# Altium PCB PCB2.PcbDoc
Units mil, origin at the board's own origin, x right, y up, seen from the top; angles counter-clockwise.
Board outline 3685.02 x 3290.03 mil, 2 copper layers (Top Layer, Bottom Layer); 12 components, 14 nets, 65 pads, 0 vias.
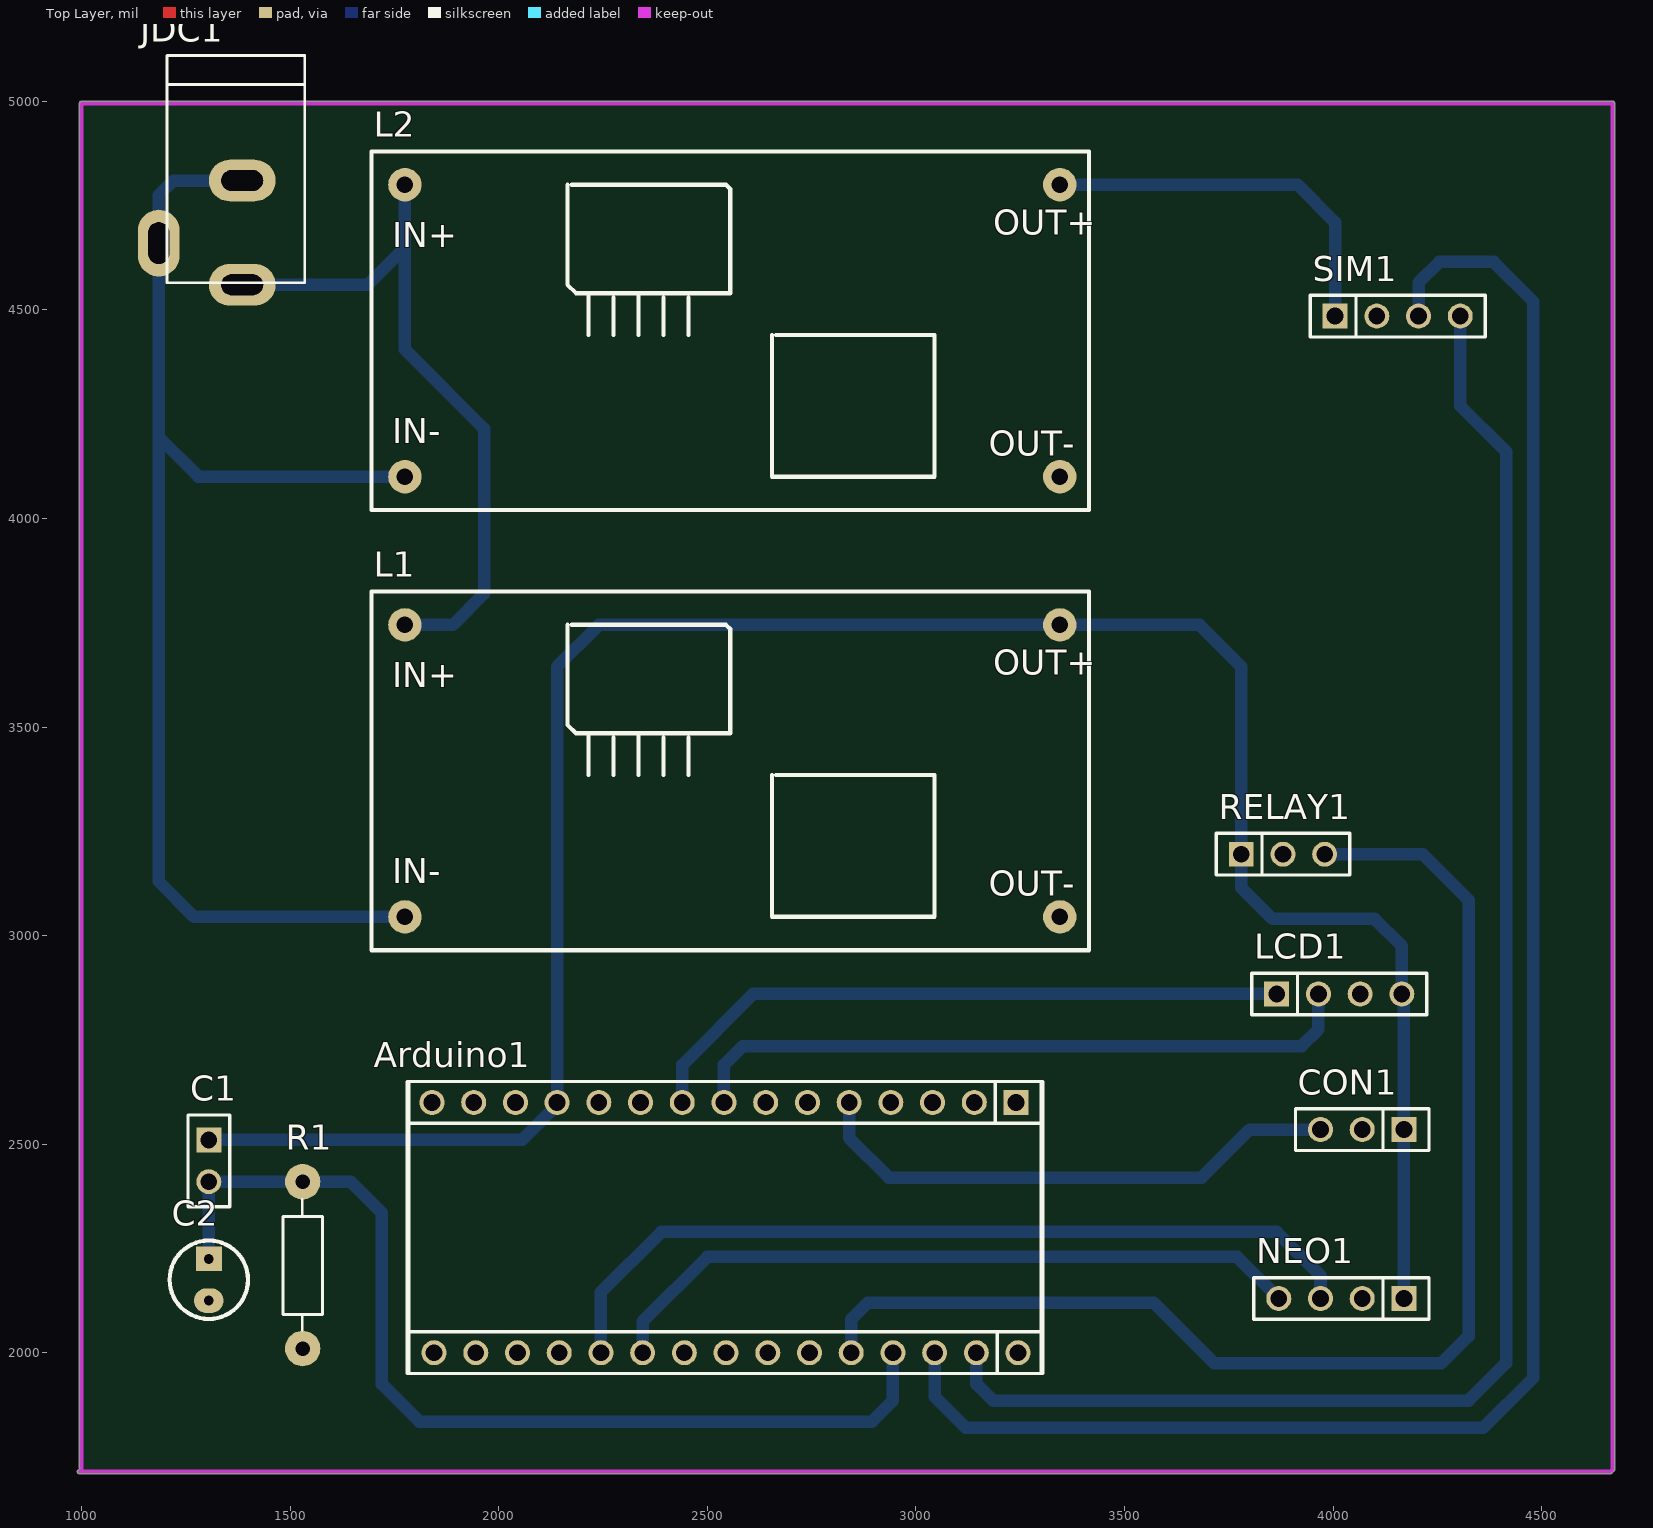
[diagram p0: Top Layer view]
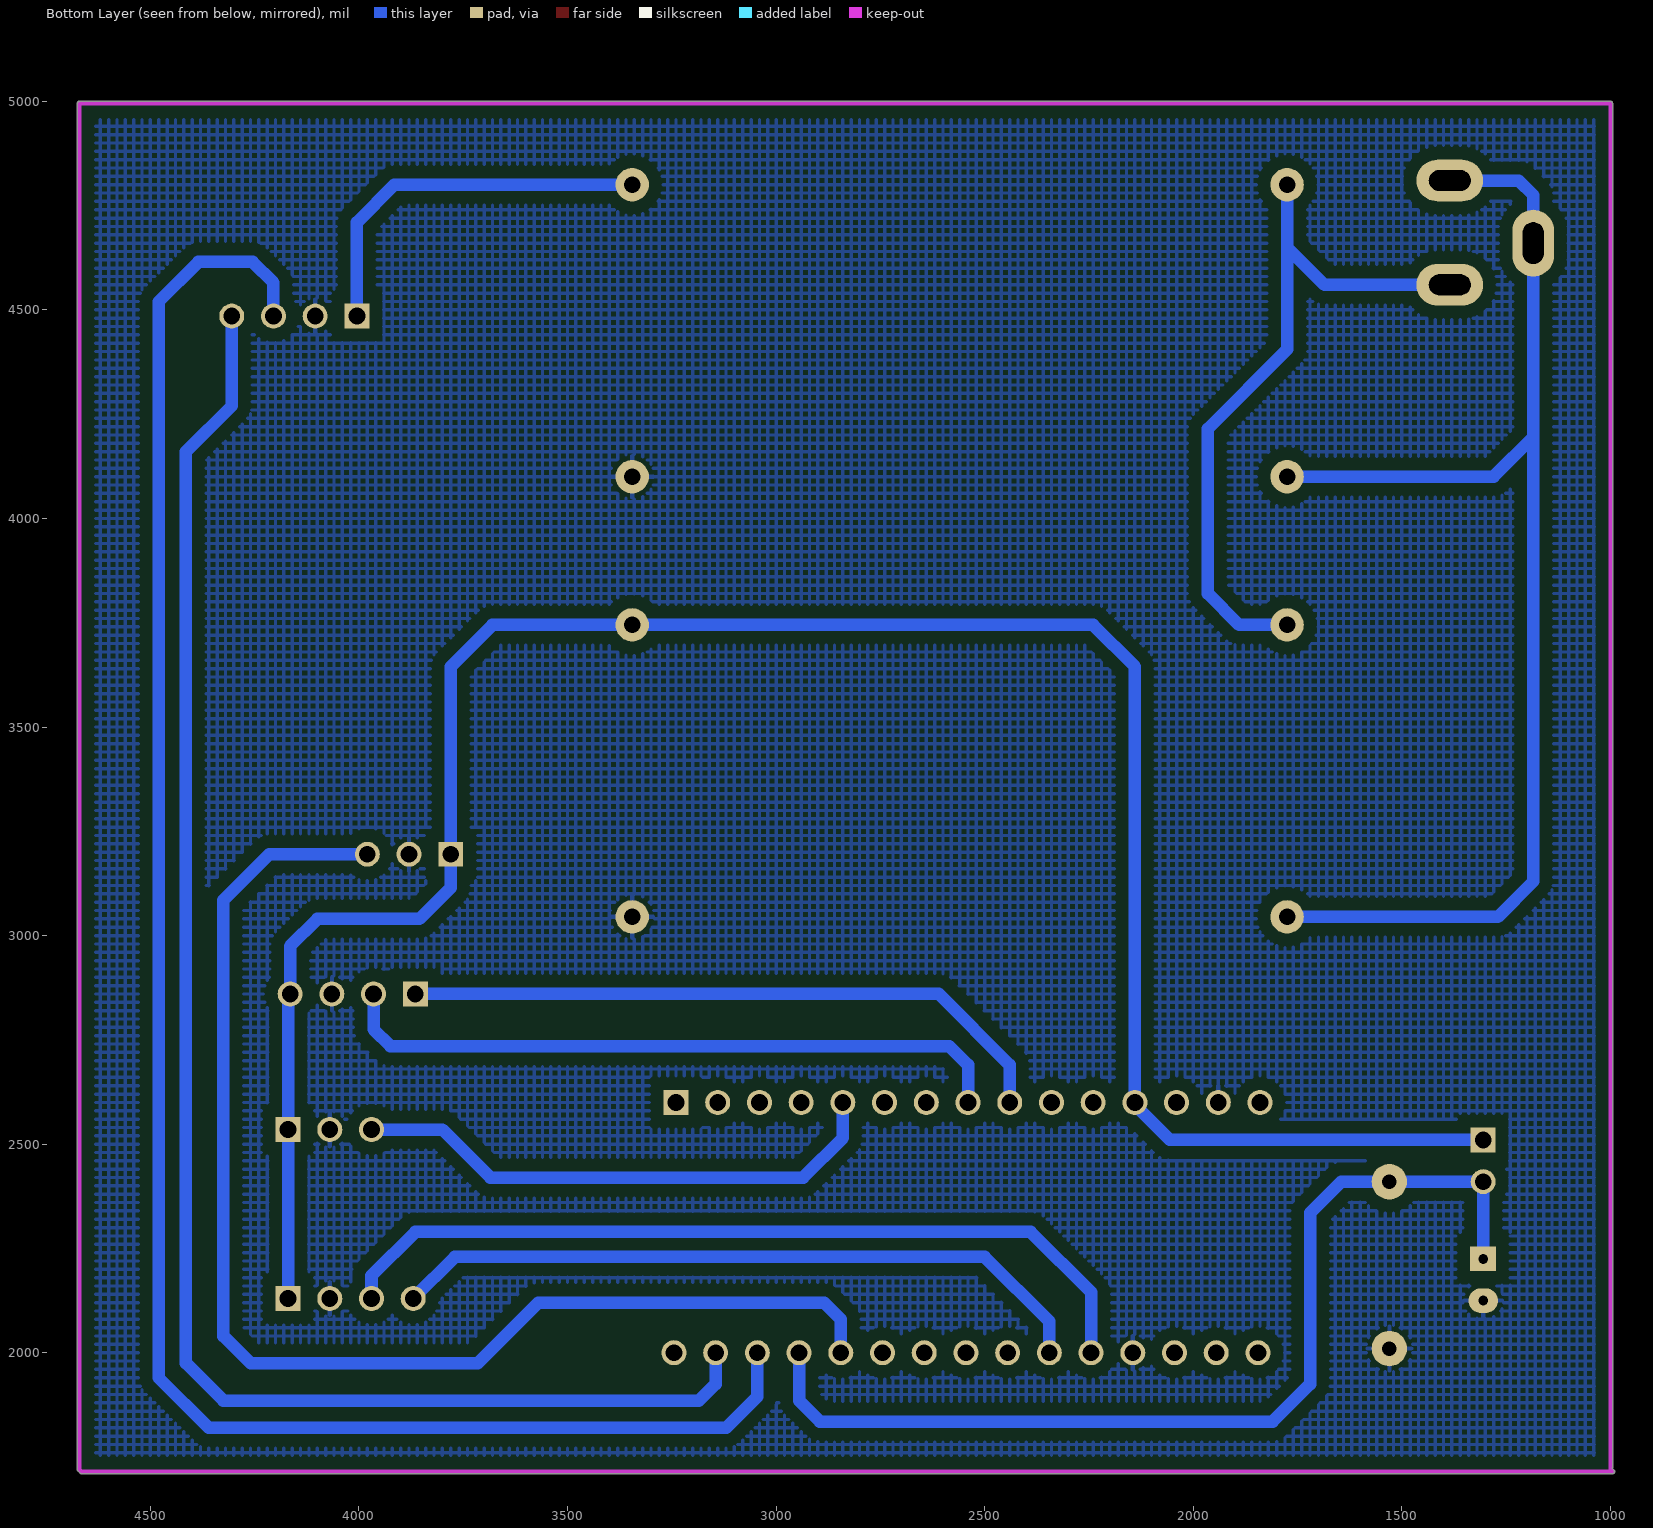
[diagram p1: Bottom Layer view, seen from below]

## Layer stack, top to bottom
Top Solder: solder mask 0.4, Solder Resist, Dk 3.5
Top Layer: signal copper 1.4
Dielectric 1: dielectric 12.6, FR-4, Dk 4.8
Bottom Layer: signal copper 1.4
Bottom Solder: solder mask 0.4, Solder Resist, Dk 3.5

## Board outline
995,1709.98 cw(c995,1715) 991.47,1718.56 991.45,1718.55 995.57,1722.66 cw(c1000,1725) 994.99,1725 994.99,4995 cw(c1000,4995) 1000,5000.02 4670,5000.02 cw(c4670,4995) 4675.02,4995 4675.02,1720 cw(c4670,1720) 4673.53,1716.44 4673.55,1716.45 4668.55,1711.45 4668.56,1711.47 cw(c4665,1715) 4665,1709.98

## Design rules (kind name [scope] priority, off if disabled: settings)
Clearance [All] p1: gap=30
PolygonConnect [All] p1: connectstyle=Relief reliefconductorwidth=10 reliefentries=4 polygonreliefangle="90 Angle" airgapwidth=10
RoutingVias [All] p1: holewidth=28 width=50 viastyle="Through Hole" minholewidth=28 minwidth=50 maxholewidth=28 maxwidth=50
SolderMaskExpansion [All] p1: expansion=4
Width [All] p1: maxlimit=30 minlimit=10 preferedwidth=20
30 further rules are at their usual default settings.

## Components (designator, comment, footprint, x,y, rotation, side; value= is the part's Value field where it differs from the comment)
Arduino1 "Arduino Nano" "Arduino Nano" 2535,2330 r90 top
C1 "JP2" JP2-C1T 1305,2510 r270 top
C2 "CN-ALU-DIP" CA-ALU-2.54 1305,2175 r270 top
CON1 "JP3" JP3-C1T 4170,2535 r180 top
JDC1 "Jac DC" DC0 1285,4685 r270 top
L1 "BUCK_LM2596" BUCK_LM2596 2545,3425 r0 top
L2 "BUCK_LM2596" BUCK_LM2596 2545,4480 r0 top
LCD1 "JP4" JP4-C1T 3865,2860 r0 top
NEO1 "JP4" JP4-C1T 4170,2130 r180 top
R1 "Res" RES-1/4W 1525,2195 r270 top
RELAY1 "JP3" JP3-C1T 3780,3195 r0 top
SIM1 "JP4" JP4-C1T 4005,4485 r0 top

## Footprints (in the part's own frame and the unit in brackets; to place one, negate y for a bottom-side part, rotate by r counter-clockwise, add the part's x,y. Pads: shape width x height; smd on the part's side, far side on the other; paste and mask are expansions set on the pad)
"Arduino Nano" [mm]
  round 1.52 hole 1.02: 3V3(6.858,-15.367) 5V(6.858,10.033) A0(6.858,-10.287) A1(6.858,-7.747) A2(6.858,-5.207) A3(6.858,-2.667) A4(6.858,-0.127) A5(6.858,2.413) A6(6.858,4.953) A7(6.858,7.493) D2(-8.382,7.366) D3(-8.382,4.826) D4(-8.382,2.286) D5(-8.382,-0.254) D6(-8.382,-2.794) D7(-8.382,-5.334) D8(-8.382,-7.874) D9(-8.382,-10.414) D10(-8.382,-12.954) D11(-8.382,-15.494) D12(-8.382,-18.034) GND(-8.382,9.906) GND(6.858,15.113) REF(6.858,-12.827) RST(-8.382,12.446) RST(6.858,12.573) RX0(-8.382,14.986) TX1(-8.382,17.526) VIN(6.858,17.653)
  rect 1.52x1.52 hole 1.02: D13(6.858,-17.907)
  silkscreen extent -9.65,-19.55 8.13,19.18, body extent -9.65,-23.48 8.14,21.44, height 21.18
BUCK_LM2596 [mil]
  round 80 hole 40: 1(-770,320) 2(-770,-380) 3(800,-380) 4(800,320)
  silkscreen extent -850,-460 870,400
CA-ALU-2.54 [mm]
  rect 1.5x1.58 hole 0.6: 1(-1.27,0)
  oval 1.5x1.8 hole 0.6: 2(1.27,0)
  silkscreen extent -2.39,-2.39 2.39,2.39, body extent -2,-2.03 1.99,1.97, height 7.01
DC0 [mil] "Jac DC input"
  oval 100x160 hole 50 slot 100 at 90 deg: 1(125,100) 2(-125,100)
  oval 160x100 hole 50 slot 100 at 0 deg: 3(25,-100)
  silkscreen extent -425,-80 120,250, body extent -410,-105 134,269, height 434
JP2-C1T [mm] "2 row, straight, gold plating"
  rect 1.52x1.52 hole 1.02: 1(0,0)
  round 1.52 hole 1.02: 2(2.54,0)
  silkscreen extent -1.52,-1.27 4.06,1.27, body extent -1.52,-1.25 4.06,1.25, height 8.51
JP3-C1T [mm] "3 row, straight, gold plating"
  rect 1.52x1.52 hole 1.02: 1(0,0)
  round 1.52 hole 1.02: 2(2.54,0) 3(5.08,0)
  silkscreen extent -1.52,-1.27 6.6,1.27, body extent -1.52,-1.25 6.6,1.25, height 8.51
JP4-C1T [mm] "4 row, straight, gold plating"
  rect 1.52x1.52 hole 1.02: 1(0,0)
  round 1.52 hole 1.02: 2(2.54,0) 3(5.08,0) 4(7.62,0)
  silkscreen extent -1.52,-1.27 9.14,1.27, body extent -1.52,-1.25 9.14,1.25, height 8.51
RES-1/4W [mil]
  round 85 hole 35: 1(-215,5) 2(185,5)
  silkscreen extent -173,-42 141,52, body extent -227,-42 197,52, height 95

## Part data
Arduino1: "Arduino NANO"
C1 CON1 LCD1 NEO1 RELAY1 SIM1: "WR-PHD 2.54 mm Angled Socket Header"
C2: "Capacitor (Semiconductor SIM Model)"
JDC1: library part DCIN, "Jac DC input"

## Nets (pads, with @x,y where several pads share a name; then routed paths per layer and width w, separated by ;. In a path a pad name is that pad's centre, name@x,y a point inside that pad or via, vN(x,y) a via of type N, cw(c..) or ccw(c..) an arc to the next point about the centre after c; other vN are vias at no path point)
BUTTON: Arduino1.D9 C1.2 C2.1 R1.1 | length 2439.1
  Bottom Layer w30: C2.1 C1.2 R1.1 1645,2410 1720,2335 1720,1925 1810,1835 2895,1835 2945,1885 Arduino1.D9
CON: Arduino1.A1 CON1.3 | length 1302
  Bottom Layer w30: Arduino1.A1 2840,2515 2935,2420 3685,2420 3800,2535 CON1.3
GND: Arduino1.GND C2.2 CON1.2 L1.3 L2.3 LCD1.3 NEO1.2 R1.2 RELAY1.2 SIM1.2
NetJDC1_1: JDC1.1 L1.1 L2.1 | length 1707
  Bottom Layer w30: JDC1.1 1685,4560 1775,4650 ; L1.1 1890,3745 1965,3820 1965,4215 1775,4405 1775,4650 ; L2.1 1775,4650
NetJDC1_2: JDC1.2 JDC1.3 L1.2 L2.2 | length 3114.1
  Bottom Layer w30: JDC1.2 1220,4810 1185,4775 JDC1.3 1185,4195 ; L1.2 1270,3045 1185,3130 1185,4195 ; L2.2 1280,4100 1185,4195
RELAY: Arduino1.D8 RELAY1.3 | length 3099.1
  Bottom Layer w30: Arduino1.D8 2845,2080 2885,2120 3570,2120 3715,1975 4260,1975 4325,2040 4325,3085 4215,3195 RELAY1.3
RX_NEO: Arduino1.D3 NEO1.4 | length 1705.6
  Bottom Layer w30: Arduino1.D3 2345,2075 2500,2230 3770,2230 NEO1.4
RX_SIM: Arduino1.D11 SIM1.4 | length 3954.4
  Bottom Layer w30: Arduino1.D11 3145,1925 3185,1885 4325,1885 4415,1975 4415,4160 4305,4270 SIM1.4
SCL: Arduino1.A5 LCD1.1 | length 1585.4
  Bottom Layer w30: Arduino1.A5 2440,2690 2610,2860 LCD1.1
SDA: Arduino1.A4 LCD1.2 | length 1635.2
  Bottom Layer w30: Arduino1.A4 2540,2690 2585,2735 3925,2735 3965,2775 LCD1.2
TX_NEO: Arduino1.D2 NEO1.3 | length 2028.6
  Bottom Layer w30: Arduino1.D2 2245,2145 2390,2290 3865,2290 3970,2185 NEO1.3
TX_SIM: Arduino1.D10 SIM1.3 | length 4615.8
  Bottom Layer w30: Arduino1.D10 3045,1895 3120,1820 4360,1820 4480,1940 4480,4520 4385,4615 4255,4615 4205,4565 SIM1.3
VCC: Arduino1.5V C1.1 CON1.1 L1.4 LCD1.4 NEO1.1 RELAY1.1 | length 5463.7
  Bottom Layer w30: C1.1 2055.95,2510 2140,2594.05 Arduino1.5V 2140,3645 2240,3745 L1.4 3680,3745 3780,3645 RELAY1.1 3780,3115 3855,3040 4100,3040 4165,2975 LCD1.4 4170,2855 CON1.1 NEO1.1
VCC_SIM: L2.4 SIM1.1 | length 922.3
  Bottom Layer w30: L2.4 3915,4800 4005,4710 SIM1.1
pads on no net: Arduino1.3V3 Arduino1.A0 Arduino1.A2 Arduino1.A3 Arduino1.A6 Arduino1.A7 Arduino1.D4 Arduino1.D5 Arduino1.D6 Arduino1.D7 Arduino1.D12 Arduino1.D13 Arduino1.REF Arduino1.RST Arduino1.RX0 Arduino1.TX1 Arduino1.VIN

## Polygon pours and split planes (outlines as drawn)
GND on Bottom Layer "Bottom Layer-No Net" (hatched 90Degree grid 20 track 8, remove dead copper, pour order 0): 1000,4985 1015,5000 4680,5000 4680,1730 4665,1715 995,1715

## Keep-outs
Keep-Out Layer:
  lines w10: 1000,1720 995,1715 4665,1715 4670,1720 4670,4995 1000,4995 1000,1725

## Text inside footprints (layer, text, board x,y; h text height)
L1: Top Overlay "IN+" at 1745,3595 h60; Top Overlay "IN-" at 1745,3125 h60; Top Overlay "OUT+" at 3185,3625 h60; Top Overlay "OUT-" at 3175,3095 h60
L2: Top Overlay "IN+" at 1745,4650 h60; Top Overlay "IN-" at 1745,4180 h60; Top Overlay "OUT+" at 3185,4680 h60; Top Overlay "OUT-" at 3175,4150 h60